# Altium PCB Mixed Signal Board Project.PcbDoc (part 1 of 3) (continued)
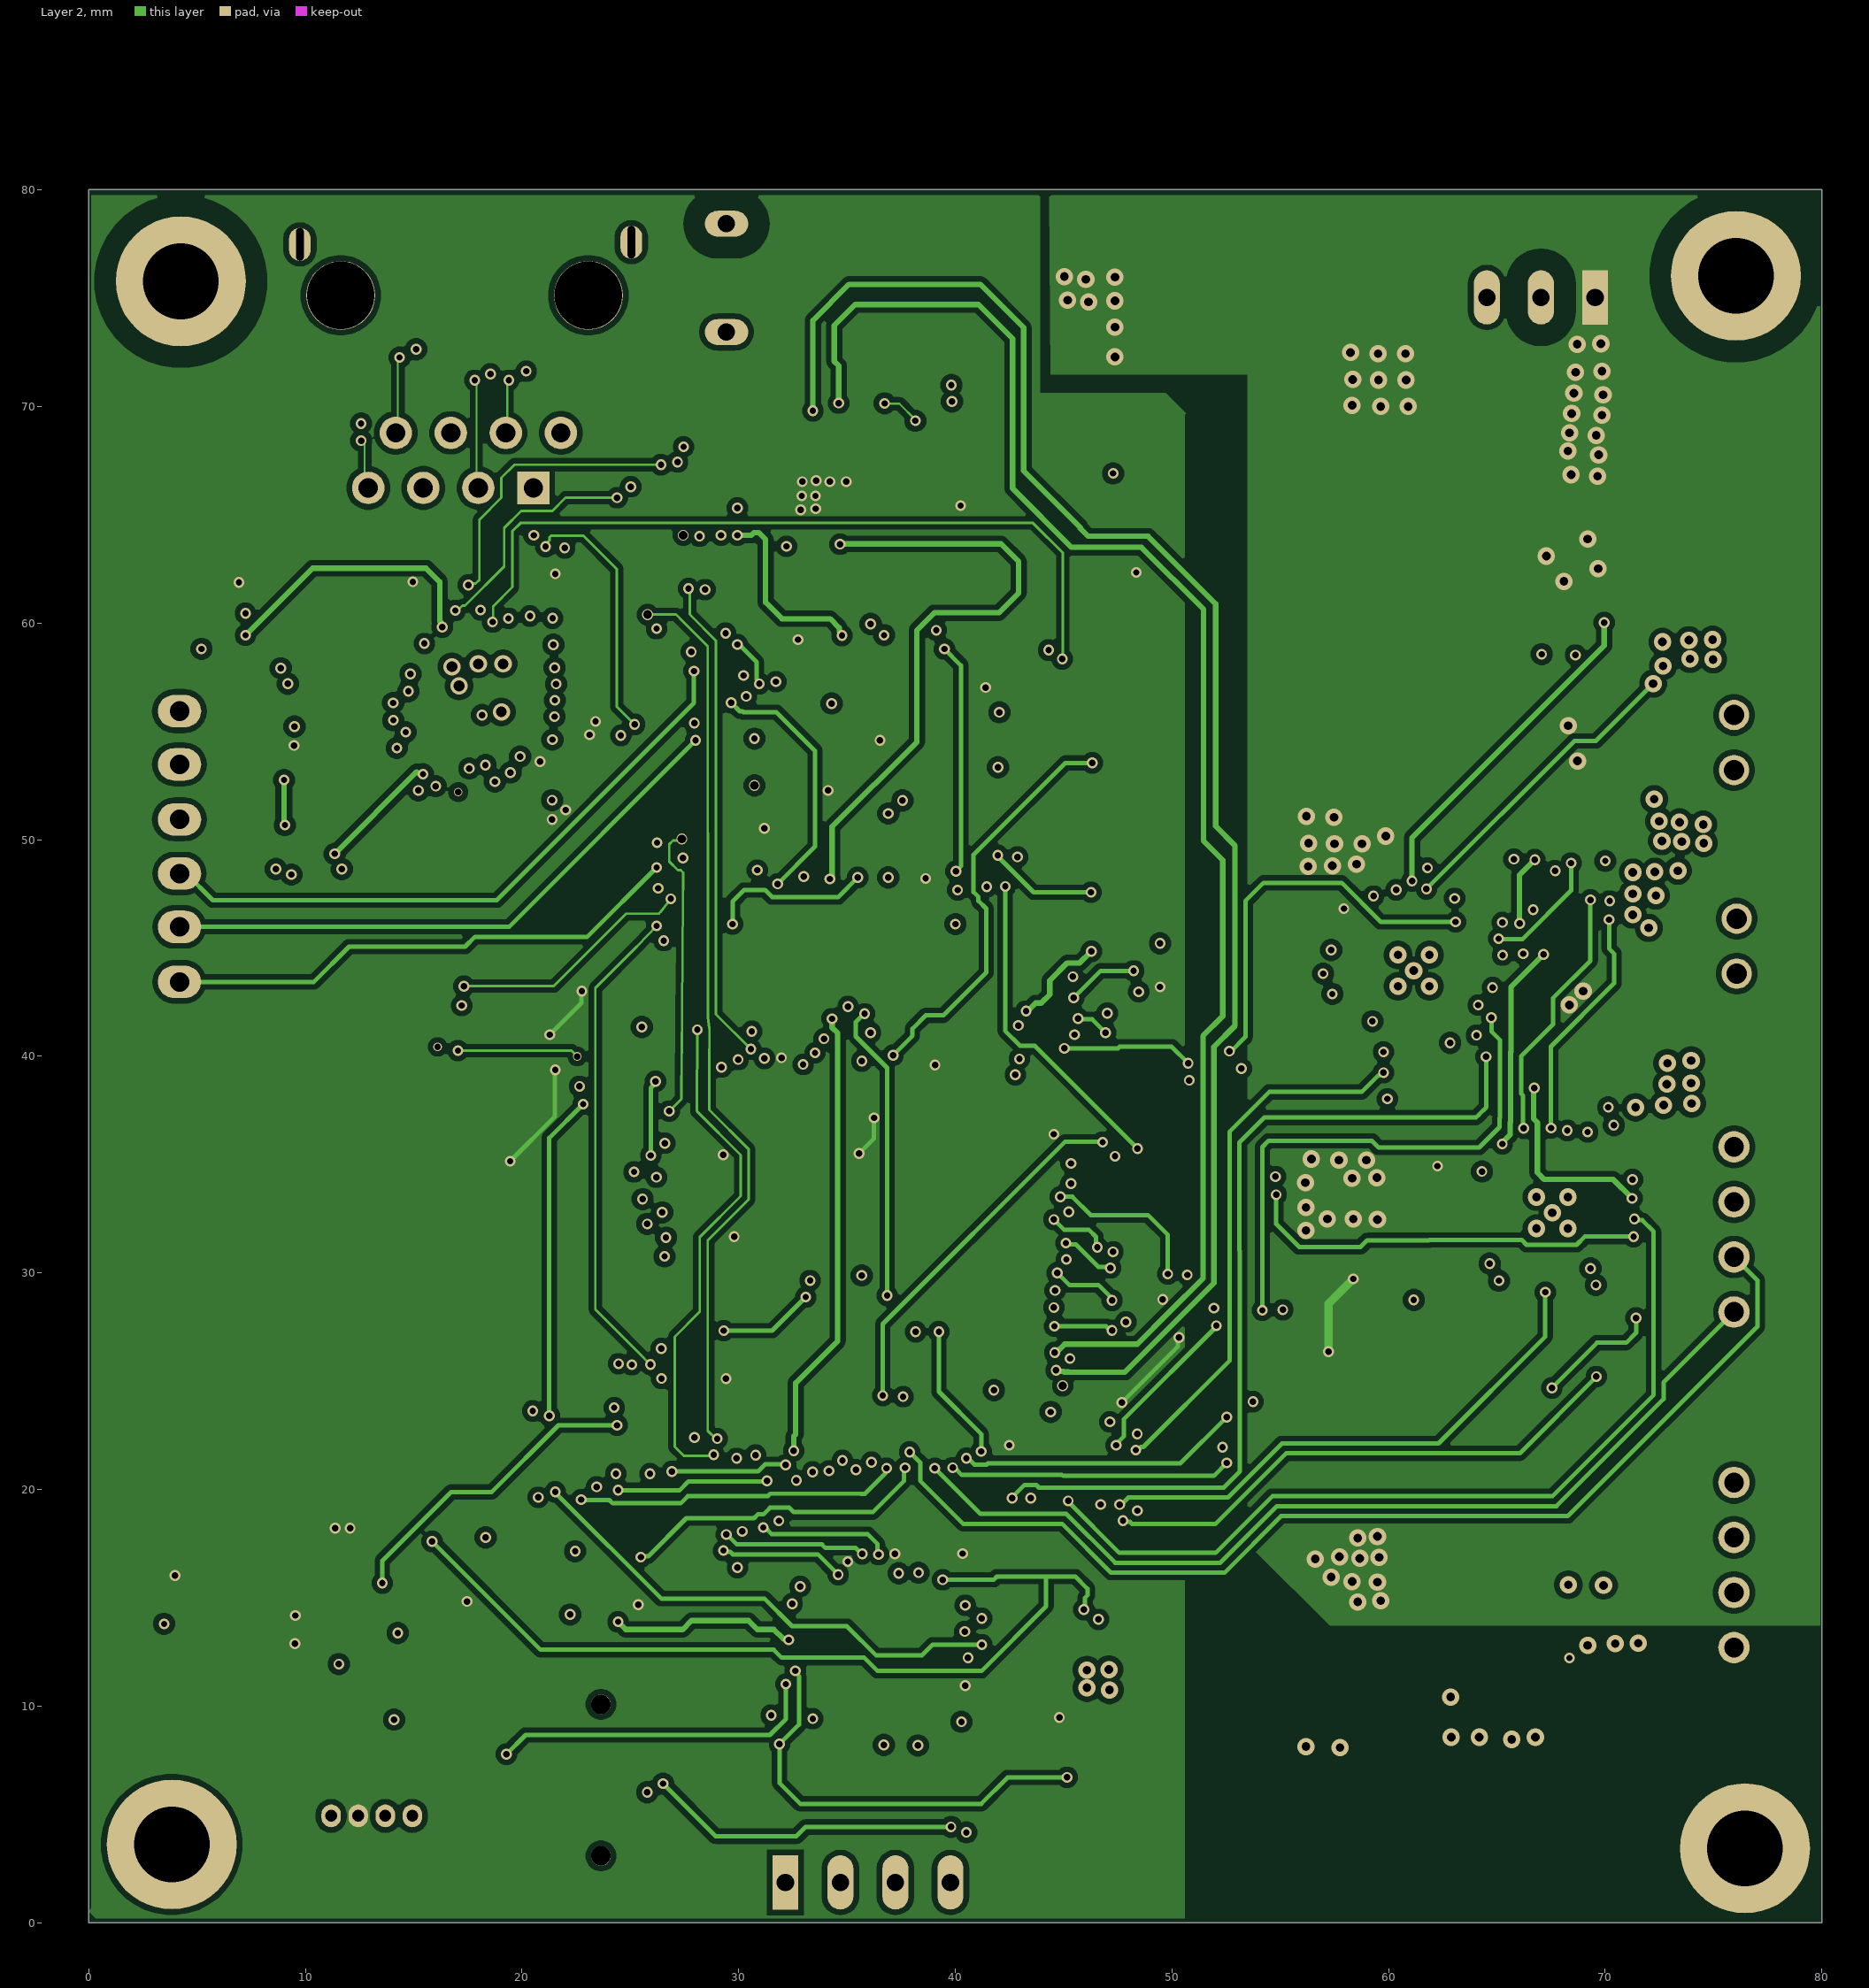
[diagram p3: Layer 2]
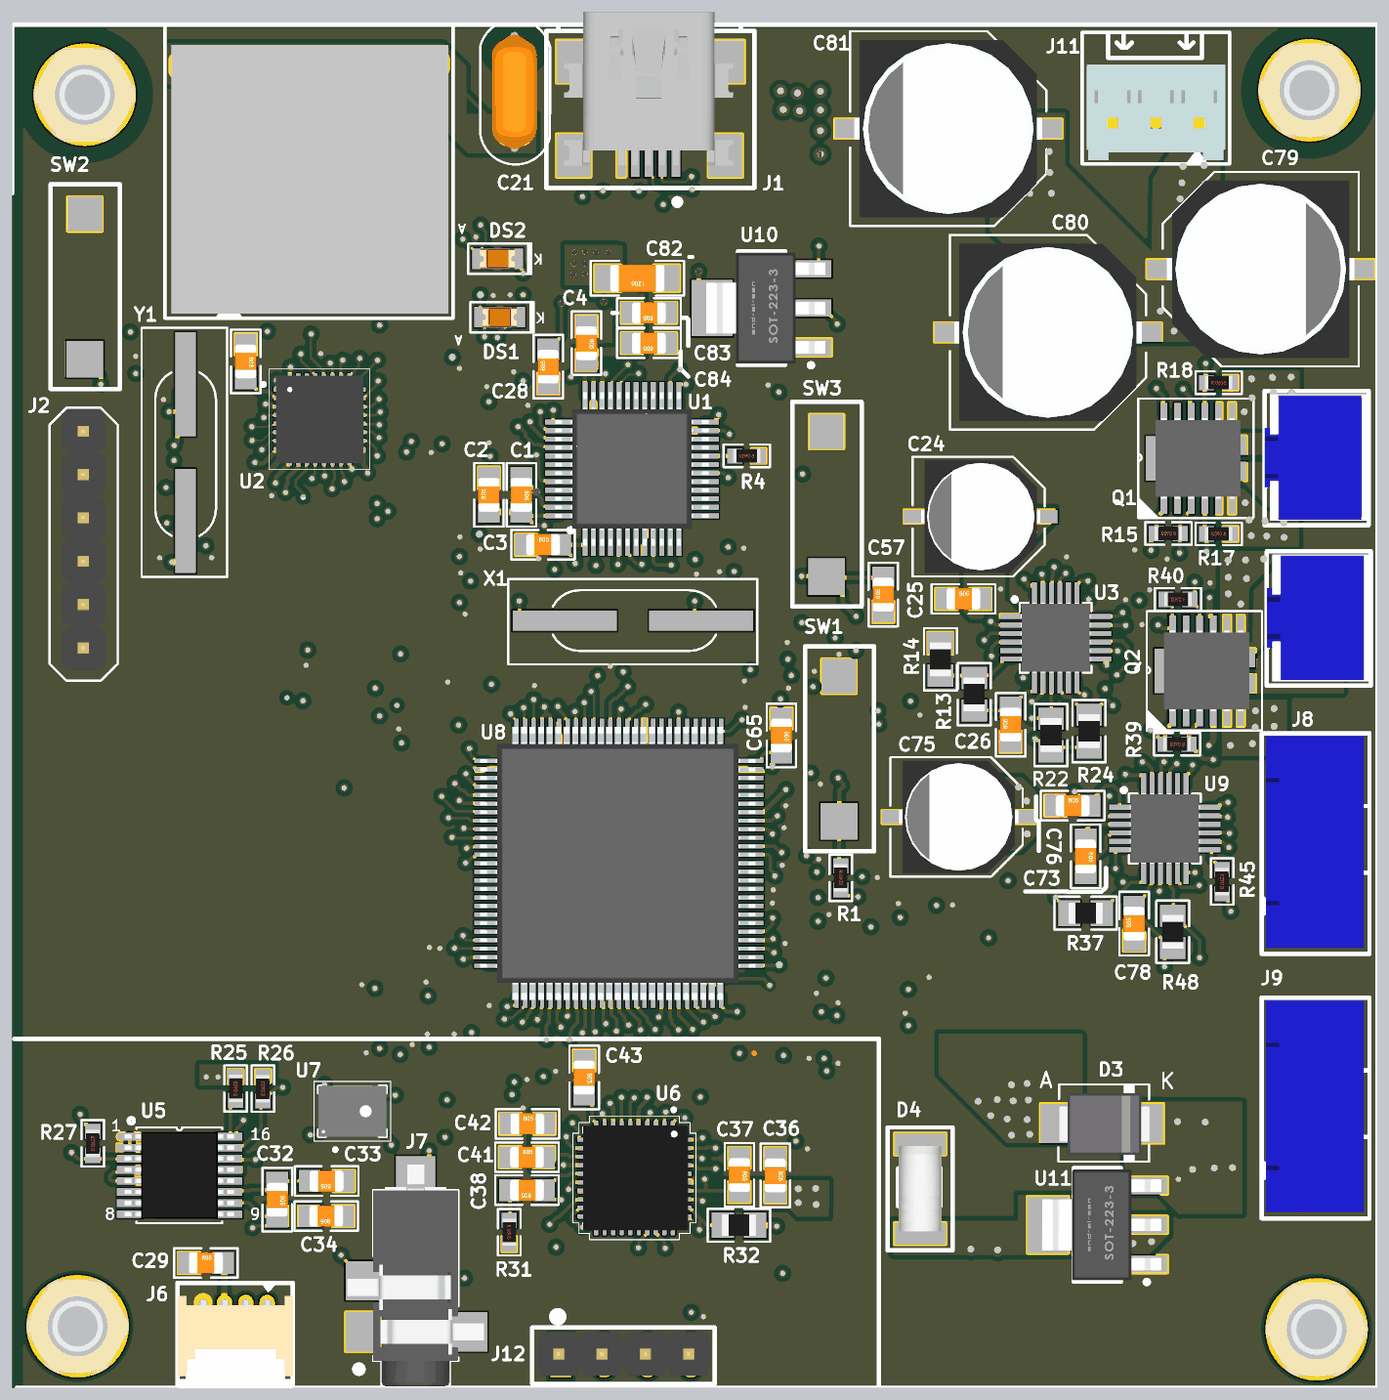
[diagram p6: 3D render of the assembled board from above, using the file's embedded part models]
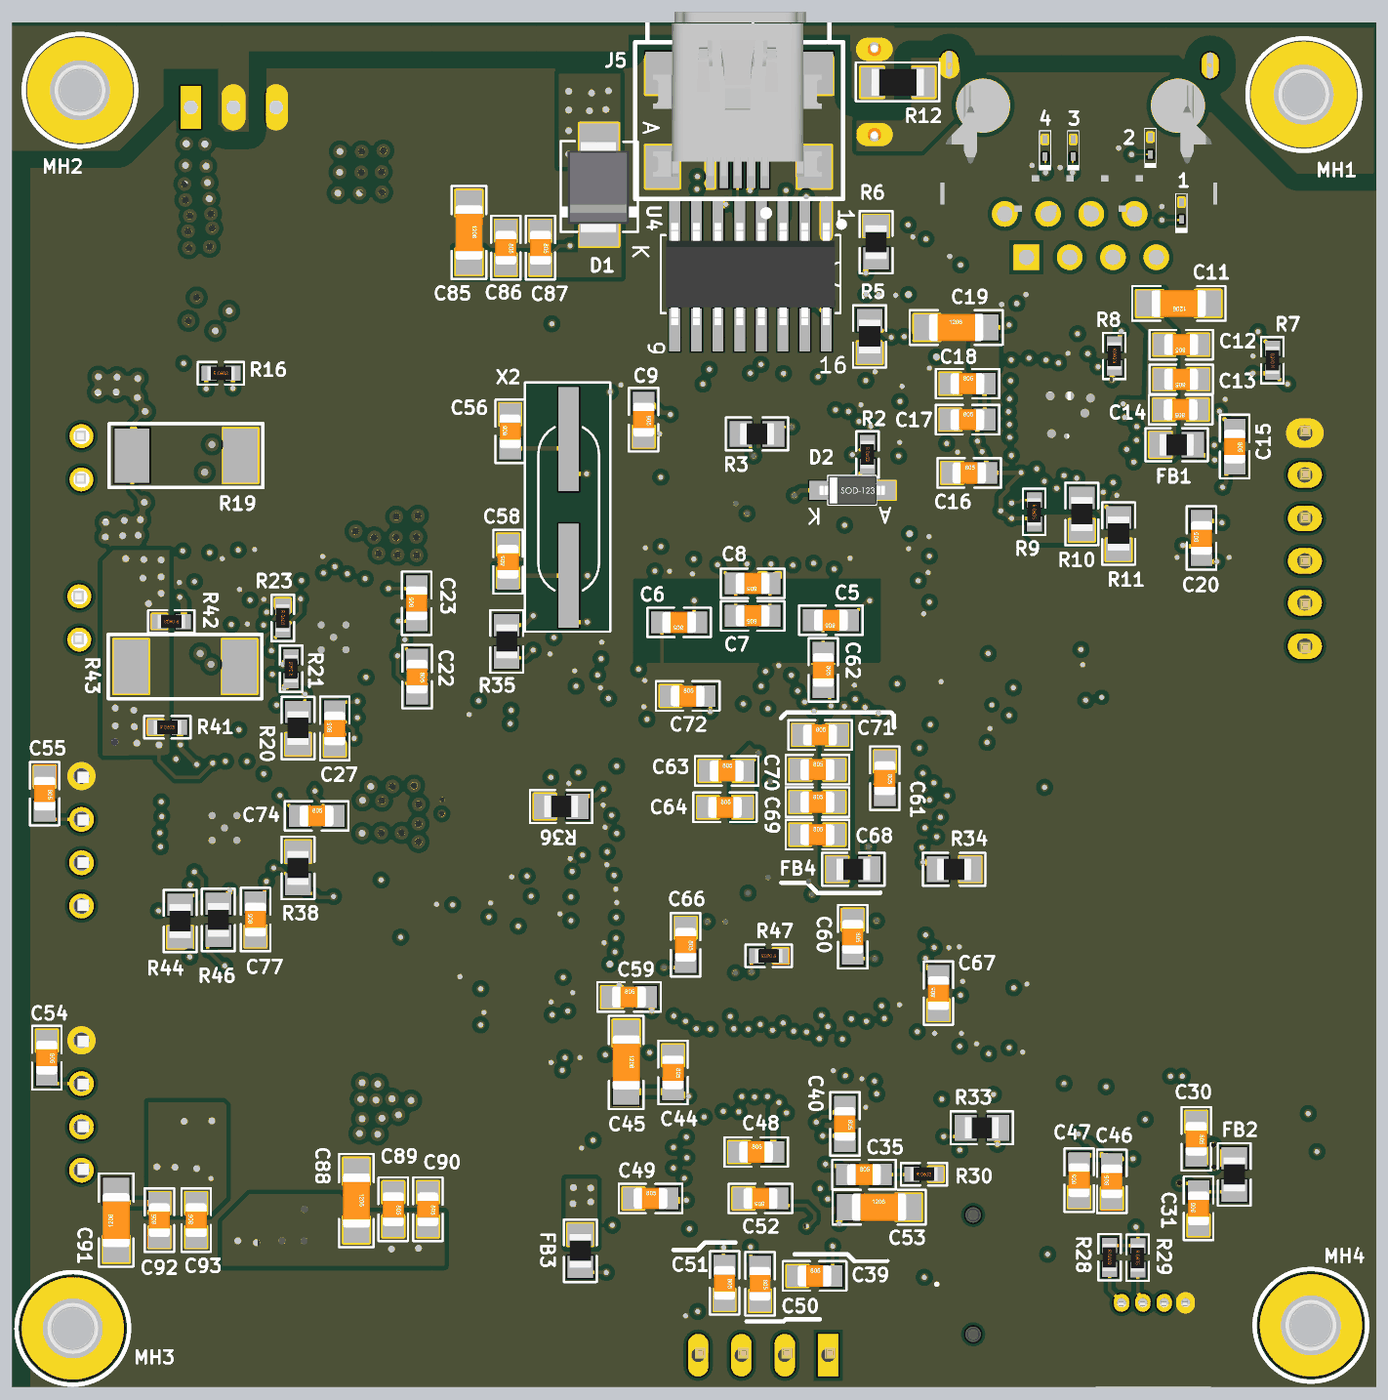
[diagram p7: 3D render of the assembled board from below, using the file's embedded part models]

## Layer stack, top to bottom
Top Solder: solder mask 0.0102, Solder Resist, Dk 3.5
Top Layer1: signal copper 0.0356
Prepreg1: prepreg 0.1, Core-009, Dk 4.6
Layer 1: signal copper 0.0175
Dielectric 1: core 1.065, Core, Dk 4.8
Layer 2: signal copper 0.0175
Prepreg2: prepreg 0.1, Core-009, Dk 4.6
Bottom Layer: signal copper 0.0356
Bottom Solder: solder mask 0.0102, Solder Resist, Dk 3.5

## Board outline
0,0 80.01,0 80.01,80.01 0,80.01

## Design rules (kind name [scope] priority, off if disabled: settings)
Clearance Clearance_Earth [InNet('EARTH')] p1: gap=1 ignorepadtopadclearanceinfootprint=TRUE
Clearance Clearance_USB_Layer_1 [InNet('USBD_N') vs InNet('USBD_P')] p2: gap=0.254 ignorepadtopadclearanceinfootprint=TRUE except(0: Arc-Hole Track-Hole SMDPad-Hole THPad-Hole Via-Hole Fill-Hole Poly-Hole Region-Hole Text-Hole; 0.1: Arc-SMDPad Track-SMDPad SMDPad-Fill SMDPad-Poly SMDPad-Region; 0.126: Arc-Arc Arc-Track Track-Track)
Clearance Clearance_RD_Layer [InNet('RD_N') And OnLayer('Layer 1') vs InNet('RD_P') And OnLayer('Layer 1')] p3: gap=0.254 ignorepadtopadclearanceinfootprint=TRUE except(0: Arc-Hole Track-Hole SMDPad-Hole THPad-Hole Via-Hole Fill-Hole Poly-Hole Region-Hole Text-Hole; 0.1: Arc-SMDPad Track-SMDPad SMDPad-Fill SMDPad-Poly SMDPad-Region; 0.2: Arc-Arc Arc-Track Track-Track)
Clearance Clearance_CH340CUSB_Layer [InNet('CH340USB D_N') vs InNet('CH340USB D_P')] p4: gap=0.254 ignorepadtopadclearanceinfootprint=TRUE except(0: Arc-Hole Track-Hole SMDPad-Hole THPad-Hole Via-Hole Fill-Hole Poly-Hole Region-Hole Text-Hole; 0.1: Arc-SMDPad Track-SMDPad SMDPad-Fill SMDPad-Poly SMDPad-Region; 0.126: Arc-Arc Arc-Track Track-Track)
Clearance Clearance_TD_Layer1 [InNet('TD_N') And OnLayer('Layer 1') vs InNet('TD_P') And OnLayer('Layer 1')] p5: gap=0.254 ignorepadtopadclearanceinfootprint=TRUE except(0: Arc-Hole Track-Hole SMDPad-Hole THPad-Hole Via-Hole Fill-Hole Poly-Hole Region-Hole Text-Hole; 0.1: Arc-SMDPad Track-SMDPad SMDPad-Fill SMDPad-Poly SMDPad-Region; 0.2: Arc-Arc Arc-Track Track-Track)
Clearance Clearance_TD_Top_Layer [InNet('TD_N') And OnLayer('Top Layer1') vs InNet('TD_P') And OnLayer('Top Layer1')] p6: gap=0.254 ignorepadtopadclearanceinfootprint=TRUE except(0: Arc-Hole Track-Hole SMDPad-Hole THPad-Hole Via-Hole Fill-Hole Poly-Hole Region-Hole Text-Hole; 0.1: Arc-SMDPad Track-SMDPad SMDPad-Fill SMDPad-Poly SMDPad-Region; 0.126: Arc-Arc Arc-Track Track-Track)
Clearance Clearance_General [All] p7: gap=0.254 ignorepadtopadclearanceinfootprint=TRUE except(0: Arc-Hole Track-Hole SMDPad-Hole THPad-Hole Via-Hole Fill-Hole Poly-Hole Region-Hole Text-Hole; 0.1: Arc-SMDPad Track-SMDPad SMDPad-Fill SMDPad-Poly SMDPad-Region)
DiffPairsRouting DiffPairsRouting90ohms [InDifferentialPairClass('DIFF90')] p1: maxlimit=0.127 minlimit=0.127 mostfreqgap=0.127 toplayer_minwidth=0.136 toplayer_maxwidth=0.136 toplayer_prefwidth=0.136 midlayer1_minwidth=0.092 midlayer1_maxwidth=0.092 midlayer1_prefwidth=0.092 midlayer2_minwidth=0.092 midlayer2_maxwidth=0.092 midlayer2_prefwidth=0.092 bottomlayer_minwidth=0.136 bottomlayer_maxwidth=0.136 bottomlayer_prefwidth=0.136 impedanceprofiledriven=TRUE impedanceprofileid={AD9261F1-0FED-4848-9771-D9747897232C} impedanceprofilevalue=90.000000 maxuncoupledlength=12.7
DiffPairsRouting Diff100 [InDifferentialPairClass('DIFF100')] p2: maxlimit=0.21 minlimit=0.127 mostfreqgap=0.21 toplayer_maxgap=0.127 toplayer_prefgap=0.127 toplayer_minwidth=0.104 toplayer_maxwidth=0.104 toplayer_prefwidth=0.104 midlayer1_mingap=0.21 midlayer1_minwidth=0.089 midlayer1_maxwidth=0.089 midlayer1_prefwidth=0.089 midlayer2_mingap=0.21 midlayer2_minwidth=0.089 midlayer2_maxwidth=0.089 midlayer2_prefwidth=0.089 bottomlayer_maxgap=0.127 bottomlayer_prefgap=0.127 bottomlayer_minwidth=0.104 bottomlayer_maxwidth=0.104 bottomlayer_prefwidth=0.104 impedanceprofiledriven=TRUE impedanceprofileid={3C8735D6-FCE4-4FA6-813F-CF391FA950FC} impedanceprofilevalue=100.000000 maxuncoupledlength=12.7
MinimumSolderMaskSliver [All] p1: minsoldermaskwidth=0.02
PolygonConnect [All] p1: connectstyle=Direct reliefconductorwidth=0.254 reliefentries=4 polygonreliefangle="90 Angle" airgapwidth=0.254
RoutingVias [All] p1: holewidth=0.711 width=1.27 viastyle="Through Hole" minholewidth=0.3 minwidth=0.4 maxholewidth=0.711 maxwidth=1.27
SilkToSilkClearance [All] p1: silktosilkclearance=0.203
SilkToSolderMaskClearance [IsText] p1: minsilkscreentomaskgap=0.254 clearancetoexposedcopper=TRUE
SolderMaskExpansion [All] p1: expansion=0.102 istentingtop=FALSE
Width Width50ohm [InNetClass('50OHM')] p1: maxlimit=0.156 minlimit=0.117 preferedwidth=0.156 toplayer_minwidth=0.156 midlayer1_maxwidth=0.117 midlayer1_prefwidth=0.117 midlayer2_maxwidth=0.117 midlayer2_prefwidth=0.117 bottomlayer_minwidth=0.156 impedanceprofiledriven=TRUE impedanceprofileid={6331C832-FDB4-42E3-A7A1-9FC37BAA26D9} impedanceprofilevalue=50.000000 minimp=50.000000 maximp=50.000000 favimp=50.000000
Width Width_1 [All] p2: maxlimit=0.381 minlimit=0.203 preferedwidth=0.254 minimp=50.000000 maximp=50.000000 favimp=50.000000
26 further rules are at their usual default settings.

## Classes and differential pairs
net class OSC_Nets: NetC5_1 NetC6_1 NetC15_1 NetC15_2 NetC20_1 NetC56_1 NetC58_1
net class Critical_nets: AIN0 AIN1 GND NetC32_1 NetC32_2 nFAULT nFAULT_2 NTRST_F407 OUTA+ OUTA- OUTB+ OUTB- PHY_RST RESET_ADC RESET_DAC SNSOUT SNSOUT_2
differential pair class DIFF100: RD TD
differential pair class DIFF90: "CH340USB D" USBD
net class 50OHM: COL CRS INT MDC MDIO NetU2_30 RX_CLK RX_D0 RX_D1 RX_D2 RX_D3 RX_DV RX_ER TX_CLK TX_D0 TX_D1 TX_D2 TX_D3 TX_EN
component class STM32F407: C54 C55 C56 C57 C58 C59 C60 C61 C62 C63 C64 C65 C66 C67 C68 C69 C70 C71 C72 FB4 J8 J9 R34 R35 R36 SW3 U8 X2
component class "Power Input and Regulators": C79 C80 C81 C82 C83 C84 C85 C86 C87 C88 C89 C90 C91 C92 C93 D1 D2 D3 D4 J11 MH1 MH2 MH3 MH4 U10 U11
component class "Motor Driver 2": C73 C74 C75 C76 C77 C78 J10 Q2 R37 R38 R39 R40 R41 R42 R43 R44 R45 R46 R47 R48 U9
component class "Motor Driver 1": C22 C23 C24 C25 C26 C27 J4 Q1 R13 R14 R15 R16 R17 R18 R19 R20 R21 R22 R23 R24 U3
component class "DAC and MIC": C35 C36 C37 C38 C39 C40 C41 C42 C43 C44 C45 C46 C47 C48 C49 C50 C51 C52 C53 FB3 J7 J12 R30 R31 R32 R33 U6 U7
component class CH340C: C28 J5 U4
component class "ADC Chip": C29 C30 C31 C32 C33 C34 FB2 J6 R25 R26 R27 R28 R29 U5
component class "[4] Ethernet PHY": 1 2 3 4 C10 C11 C12 C13 C14 C15 C16 C17 C18 C19 C20 C21 DS1 DS2 FB1 J3 R5 R6 R7 R8 R9 R10 R11 R12 SW2 U2 Y1
component class "[3] STM32F103 Debugger": C1 C2 C3 C4 C5 C6 C7 C8 C9 J1 J2 R1 R2 R3 R4 SW1 U1 X1
differential pair USBD: +USBD_P -USBD_N
differential pair TD: +TD_P -TD_N
differential pair RD: +RD_P -RD_N
differential pair "CH340USB D": +"CH340USB D_P" -"CH340USB D_N"

## Components (designator, comment, footprint, x,y, rotation, side; value= is the part's Value field where it differs from the comment)
1 "ESD3V3D9-TP" DIO_SOD-923 11.43,68.961 r90 bottom
2 "ESD3V3D9-TP" DIO_SOD-923 13.254,72.779 r90 bottom
3 "ESD3V3D9-TP" DIO_SOD-923 17.78,72.644 r90 bottom
4 "ESD3V3D9-TP" DIO_SOD-923 19.431,72.644 r90 bottom
C1 "0.1uF" CAP_0805 29.845,52.324 r270 top
C2 "4.7uF" CAP_0805 27.94,52.324 r90 top
C3 "0.1uF" CAP_0805 31.115,49.403 r0 top
C4 "0.1uF" CAP_0805 33.655,61.214 r270 top
C5 "30pF" CAP_0805 31.988,44.958 r0 bottom
C6 "30pF" CAP_0805 40.894,44.831 r0 bottom
C7 "1uF" CAP_0805 36.576,45.212 r0 bottom
C8 "10nF" CAP_0805 36.576,47.117 r0 bottom
C9 "0.1uF" CAP_0805 42.977,56.718 r270 bottom
C10 "2nF" CAP_0805 13.691,60.147 r270 top
C11 "10uF" CAP_1206 11.582,63.525 r0 bottom
C12 "1uF" CAP_0805 11.439,61.112 r0 bottom
C13 "0.1uF" CAP_0805 11.439,59.08 r0 bottom
C14 "10nF" CAP_0805 11.471,57.302 r0 bottom
C15 "20pF" CAP_0805 8.306,55.143 r270 bottom
C16 "10nF" CAP_0805 23.876,53.594 r180 bottom
C17 "0.1uF" CAP_0805 23.978,56.718 r180 bottom
C18 "1uF" CAP_0805 23.978,58.826 r180 bottom
C19 "10uF" CAP_1206 24.638,62.128 r180 bottom
C20 "20pF" CAP_0805 10.254,49.779 r90 bottom
C21 "10nF" CAP_P196_102X287_H332_RAD_TH 29.439,78.435 r270 top
C22 "0.1uF" CAP_0805 56.261,41.647 r270 bottom
C23 "1uF" CAP_0805 56.286,45.949 r90 bottom
C24 "100uF" ACAP_P236_D305_H303_RAD 56.769,51.054 r180 top
C25 "0.1uF" CAP_0805 55.753,46.228 r0 top
C26 "1uF" CAP_0805 58.522,38.862 r90 top
C27 "1uF" CAP_0805 61.087,38.608 r90 bottom
C28 "0.1uF" CAP_0805 31.42,59.842 r90 top
C29 "0.1uF" CAP_0805 11.354,7.315 r0 top
C30 "0.1uF" CAP_0805 10.556,14.542 r270 bottom
C31 "0.1uF" CAP_0805 10.429,10.468 r90 bottom
C32 "0.1uF" CAP_0805 15.534,11.027 r270 top
C33 "10nF" CAP_0805 18.43,12.119 r180 top
C34 "10nF" CAP_0805 18.404,10.062 r180 top
C35 "22uF" CAP_0805 30.048,12.446 r180 bottom
C36 "1uF" CAP_0805 44.729,12.446 r270 top
C37 "0.1uF" CAP_0805 42.621,12.471 r270 top
C38 "22uF" CAP_0805 30.175,11.582 r180 top
C39 "0.1uF" CAP_0805 32.944,6.502 r180 bottom
C40 "1uF" CAP_0805 31.166,15.418 r270 bottom
C41 "0.1uF" CAP_0805 30.175,13.513 r0 top
C42 "1uF" CAP_0805 30.201,15.469 r0 top
C43 "1uF" CAP_0805 33.528,18.186 r270 top
C44 "0.1uF" CAP_0805 41.25,18.44 r270 bottom
C45 "10uF" CAP_1206 43.993,19.025 r270 bottom
C46 "1uF" CAP_0805 15.509,12.052 r90 bottom
C47 "0.1uF" CAP_0805 17.43,12.119 r90 bottom
C48 "0.1uF" CAP_0805 36.373,13.767 r180 bottom
C49 "0.1uF" CAP_0805 42.57,11.049 r180 bottom
C50 "150pF" CAP_0805 36.144,6.045 r270 bottom
C51 "150pF" CAP_0805 38.227,6.096 r270 bottom
C52 "1uF" CAP_0805 36.119,11.049 r0 bottom
C53 "10uF" CAP_1206 29.159,10.541 r180 bottom
C54 "0.1uF" CAP_0805 77.978,19.304 r270 bottom
C55 "0.1uF" CAP_0805 78.105,34.782 r270 bottom
C56 "30pF" CAP_0805 50.8,56.032 r90 bottom
C57 "0.1uF" CAP_0805 51.054,46.482 r90 top
C58 "30pF" CAP_0805 50.927,48.387 r90 bottom
C59 "0.1uF" CAP_0805 43.831,22.86 r180 bottom
C60 "0.1uF" CAP_0805 30.709,26.391 r270 bottom
C61 "0.1uF" CAP_0805 28.829,35.687 r270 bottom
C62 "0.1uF" CAP_0805 32.436,42.037 r270 bottom
C63 "0.1uF" CAP_0805 38.1,36.119 r180 bottom
C64 "4.7uF" CAP_0805 38.202,33.985 r180 bottom
C65 "0.1uF" CAP_0805 45.085,38.227 r270 top
C66 "2.2uF" CAP_0805 40.513,25.924 r270 bottom
C67 "2.2uF" CAP_0805 25.679,23.089 r90 bottom
C68 "1uF" CAP_0805 32.782,32.385 r180 bottom
C69 "1uF" CAP_0805 32.782,34.29 r180 bottom
C70 "0.1uF" CAP_0805 32.782,36.195 r180 bottom
C71 "0.1uF" CAP_0805 32.623,38.227 r180 bottom
C72 "0.1uF" CAP_0805 40.386,40.513 r180 bottom
C73 "0.1uF" CAP_0805 62.916,31.14 r270 top
C74 "1uF" CAP_0805 62.154,33.477 r180 bottom
C75 "100uF" ACAP_P236_D305_H303_RAD 55.474,33.452 r180 top
C76 "0.1uF" CAP_0805 62.154,34.112 r0 top
C77 "1uF" CAP_0805 65.735,27.407 r90 bottom
C78 "1uF" CAP_0805 65.761,27.203 r90 top
C79 "100uF" ACAP_P305_D393_H393_RAD 73.177,65.557 r0 top
C80 "100uF" ACAP_P305_D393_H393_RAD 60.706,61.849 r180 top
C81 "100uF" ACAP_P305_D393_H393_RAD 54.864,73.787 r180 top
C82 "10uF" CAP_1206 36.64,65.019 r180 top
C83 "1uF" CAP_0805 37.322,62.992 r180 top
C84 "0.1uF" CAP_0805 37.322,61.214 r180 top
C85 "10uF" CAP_1206 53.213,67.691 r270 bottom
C86 "1uF" CAP_0805 51.054,66.802 r270 bottom
C87 "0.1uF" CAP_0805 49.022,66.802 r270 bottom
C88 "10uF" CAP_1206 59.817,10.922 r270 bottom
C89 "1uF" CAP_0805 57.658,10.414 r270 bottom
C90 "0.1uF" CAP_0805 55.626,10.414 r270 bottom
C91 "10uF" CAP_1206 73.914,9.779 r90 bottom
C92 "1uF" CAP_0805 71.374,9.779 r90 bottom
C93 "0.1uF" CAP_0805 69.215,9.779 r90 bottom
D1 "MBRS130LT3G" DIO_SMB_DO-214AA 45.593,70.485 r270 bottom
D2 "BZT52C3V3-7-F" DIO_SOD-123 30.734,52.578 r0 bottom
D3 "MBRS130LT3G" DIO_SMB_DO-214AA 63.881,15.494 r0 top
D4 "1.8V Zener" DIO_DO-213AB_SMD 53.213,11.659 r90 top
DS1 "LED ORANGE" LED_0805 28.575,62.738 r180 top
DS2 "RED LED" LED_0805 28.448,66.167 r180 top
FB1 "1K" IND_0805 11.709,55.245 r180 bottom
FB2 "1K" IND_0805 8.331,12.456 r90 bottom
FB3 "1K" IND_0805 46.685,7.976 r90 bottom
FB4 "1K" IND_0805 30.673,30.353 r180 bottom
J1 "USB2.0 MINI B" CON_690-005-299-043 32.908,72.212 r270 top
J2 "Bergstrip 2.54mm" CON6_100_59D78_TH_ST 4.191,43.434 r90 top
J3 "RJ45 LAN" CON10_P106_RJ45_TH_ST 23.049,75.184 r180 top
J4 "B2B-XH-A(LF)(SN)" CON2_100_B2B-XH-A_TH_ST 75.946,53.213 r90 top
J5 "USB2.0 MINI B" CON_690-005-299-043 41.865,71.552 r270 bottom
J6 "1.25MM Spade 4PIN" CON4_50_653004117322_TH_RA 11.191,4.928 r180 top
J7 "4X1 STEREO" CON_SJ-2504A-SMT-TR_SMD 23.647,6.579 r90 top
J8 "B4B-XH-A(LF)(SN)" CON4_100_B4B-XH-A_TH_ST 75.946,28.194 r90 top
J9 "B4B-XH-A(LF)(SN)" CON4_100_B4B-XH-A_TH_ST 75.946,12.7 r90 top
J10 "B2B-XH-A(LF)(SN)" CON2_100_B2B-XH-A_TH_ST 76.073,43.815 r90 top
J11 "Terminal Block 2.5mm" CON3_100_TB_TH_ST 67.033,75.033 r270 top
J12 "4X1 BERG STRIP" CON4_100_40D72_TH_ST_MALE 32.156,1.854 r90 top
MH1 "Mounting Hole" MOUNTING 4.254,75.779 r180 bottom
MH2 "Mounting Hole" MOUNTING 76.033,76.033 r180 bottom
MH3 "Mounting Hole" MOUNTING 76.454,3.427 r180 bottom
MH4 "Mounting Hole" MOUNTING 3.835,3.607 r180 bottom
Q1 "DMHT6016LFJ-13" DFN5045-12_33_212_27X15_SMD_1 69.501,54.468 r0 top
Q2 "DMHT6016LFJ-13" DFN5045-12_33_212_27X15_SMD_1 70.002,42.012 r0 top
R1 "10K" RES_0603 48.565,29.883 r270 top
R2 "100K" RES_0603 29.845,54.674 r270 bottom
R3 "1.5K" RES_0805 36.322,55.88 r180 bottom
R4 "100K" RES_0603 43.053,54.61 r180 top
R5 "3.3K" RES_0805 29.718,61.595 r90 bottom
R6 "3.3K" RES_0805 29.337,67.122 r270 bottom
R7 "10K" RES_0603 6.096,60.198 r90 bottom
R8 "10K" RES_0603 15.367,60.452 r90 bottom
R9 "10K" RES_0603 20.066,51.308 r270 bottom
R10 "10K" RES_0805 17.272,51.181 r90 bottom
R11 "6.49K" RES_0805 15.113,50.038 r270 bottom
R12 "1M" RES_1206 28.068,76.505 r0 bottom
R13 "2K" RES_0805 56.388,40.64 r270 top
R14 "3.3K" RES_0805 54.407,42.687 r270 top
R15 "10K" RES_0603 67.767,50.063 r180 top
R16 "10K" RES_0603 67.767,59.436 r180 bottom
R17 "10K" RES_0603 70.714,50.038 r180 top
R18 "10K" RES_0603 70.714,58.903 r0 top
R19 "50mOHM" RES_2512 69.799,54.61 r180 bottom
R20 "33K" RES_0805 63.246,38.633 r270 bottom
R21 "10K" RES_0603 63.652,42.113 r90 bottom
R22 "10K" RES_0805 60.884,38.252 r90 top
R23 "10K" RES_0603 64.135,45.085 r270 bottom
R24 "10K" RES_0805 63.119,38.481 r90 top
R25 "10K" RES_0603 13.096,17.542 r90 top
R26 "10K" RES_0603 14.696,17.529 r90 top